# Altium PCB AVALON2_21b.PcbDoc (part 5 of 7)
Units mil, origin at the board's own origin, x right, y up, seen from the top; angles counter-clockwise.
Board outline 5250 x 3000 mil, 4 copper layers (Top Layer, Mid-Layer 1, Mid-Layer 2, Bottom Layer); 460 components, 80 nets, 2011 pads, 1492 vias.
Unrouted connection lines stored in the file: 78.
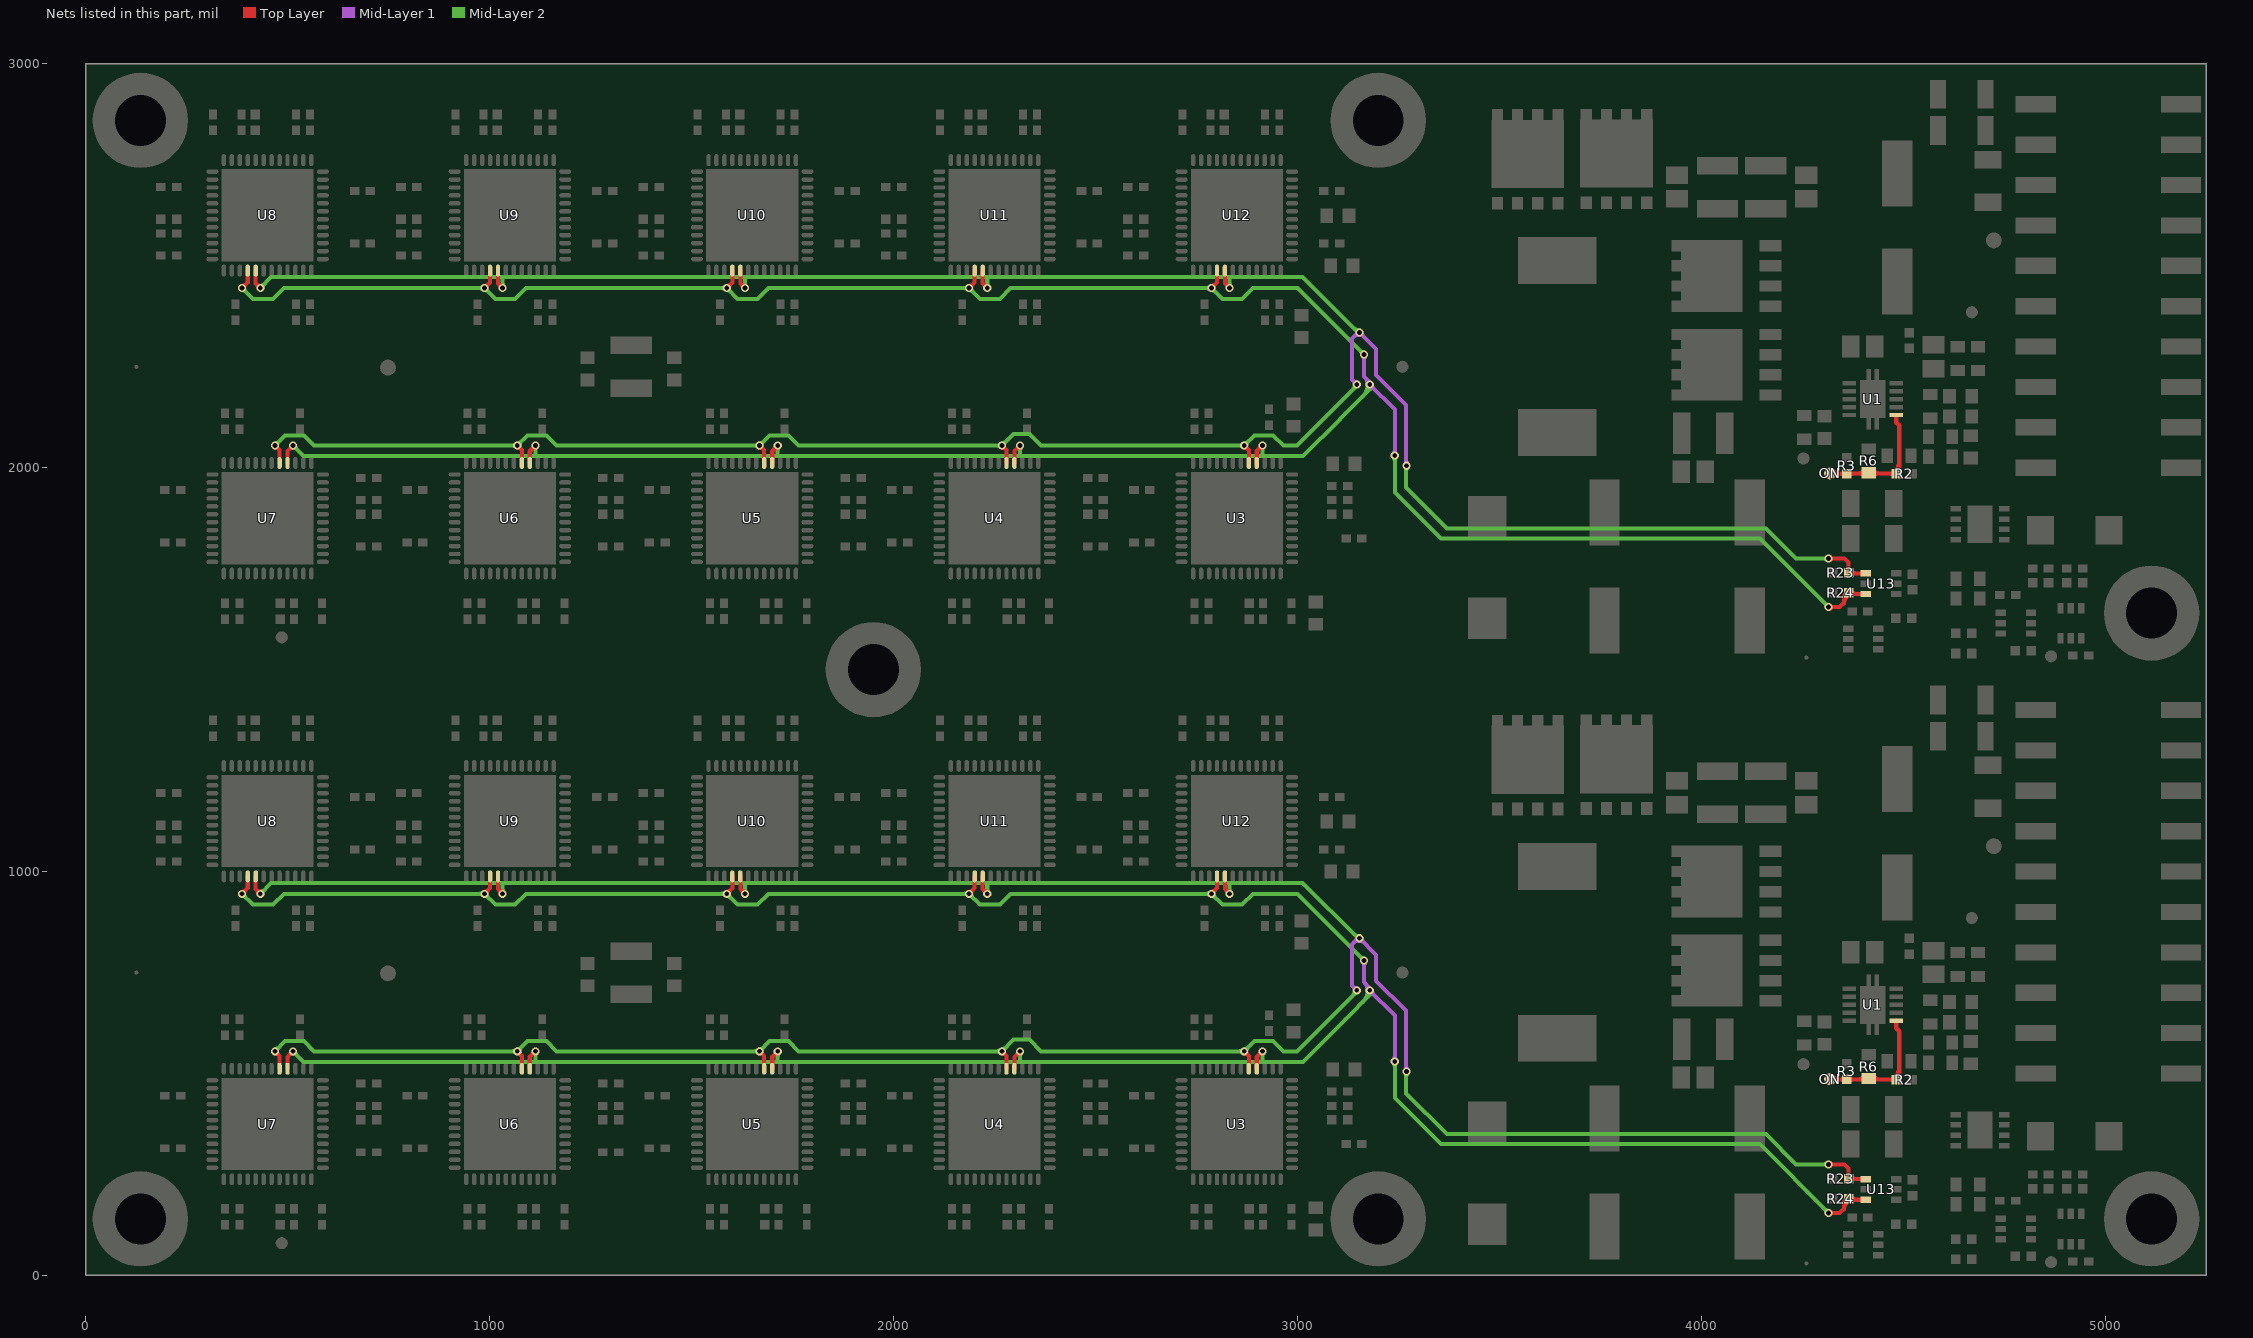
[diagram p7: the nets of this part, all layers, seen from the top]

## Via types
v1: diameter 32, hole 18, Top Layer to Bottom Layer, tented both sides, 846 vias
v2: diameter 20, hole 12, Top Layer to Bottom Layer, tented both sides, 458 vias
v3: diameter 20, hole 12, Top Layer to Bottom Layer, tented bottom, 154 vias
v4: diameter 50, hole 20, Top Layer to Bottom Layer, tented both sides, 16 vias
v5: diameter 23.62, hole 11.81, Top Layer to Bottom Layer, tented bottom, 10 vias
v6: diameter 25.98, hole 12.99, Top Layer to Bottom Layer, tented top, 4 vias
v7: diameter 20, hole 12, Top Layer to Bottom Layer, 4 vias

## Nets (pads, with @x,y where several pads share a name; then routed paths per layer and width w, separated by ;. In a path a pad name is that pad's centre, name@x,y a point inside that pad or via, vN(x,y) a via of type N, cw(c..) or ccw(c..) an arc to the next point about the centre after c; other vN are vias at no path point) (continued)
PWR_ON: ON.1 R2.1 R3.1 R6.2 U1.1 | length 1062.1
  Top Layer w10: ON.1@4319,485.31 R2.1@4490,485.31 ; ON.1@4319,1985.31 R2.1@4490,1985.31 ; ON.1@4326.07,478.93 cw(c4341.49,463.51) 4341.49,485.31 ; ON.1@4326.07,493.07 ccw(c4344.8,511.8) 4344.8,485.31 ; ON.1@4326.07,1978.93 cw(c4341.49,1963.51) 4341.49,1985.31 ; ON.1@4326.07,1993.07 ccw(c4344.8,2011.8) 4344.8,1985.31 ; R3.1@4355.18,480.5 ccw(c4343.56,468.87) 4343.56,485.31 ccw(c4343.56,501.76) R3.1@4355.18,490.13 ; R3.1@4355.18,1980.5 ccw(c4343.56,1968.87) 4343.56,1985.31 ccw(c4343.56,2001.76) R3.1@4355.18,1990.13 ; R3.1@4364.82,480.5 cw(c4376.44,468.87) 4376.44,485.31 cw(c4376.44,501.76) R3.1@4364.82,490.13 ; R3.1@4364.82,1980.5 cw(c4376.44,1968.87) 4376.44,1985.31 cw(c4376.44,2001.76) R3.1@4364.82,1990.13 ; 4384.66,485.31 ccw(c4384.66,513.88) R6.2@4404.86,493.68 ; 4384.66,1985.31 ccw(c4384.66,2013.88) R6.2@4404.86,1993.68 ; 4395.08,485.31 cw(c4395.08,471.49) R6.2@4404.86,481.26 ; 4395.08,1985.31 cw(c4395.08,1971.49) R6.2@4404.86,1981.26 ; R6.2@4425.15,481.26 cw(c4434.92,471.49) 4434.92,485.31 ; R6.2@4425.15,493.68 ccw(c4445.34,513.88) 4445.34,485.31 ; R6.2@4425.15,1981.26 cw(c4434.92,1971.49) 4434.92,1985.31 ; R6.2@4425.15,1993.68 ccw(c4445.34,2013.88) 4445.34,1985.31 ; 4466.11,485.31 cw(c4466.11,467.8) R2.1@4478.5,480.18 ; 4466.11,1985.31 cw(c4466.11,1967.8) R2.1@4478.5,1980.18 ; 4467.63,485.31 ccw(c4467.63,500.68) R2.1@4478.5,489.82 ; 4467.63,1985.31 ccw(c4467.63,2000.68) R2.1@4478.5,1989.82
  Top Layer w11: R2.1@4478.85,489.46 ccw(c4451.94,516.38) 4490,516.38 ; R2.1@4478.85,1989.46 ccw(c4451.94,2016.38) 4490,2016.38 ; U1.1@4483.07,630.63 4483.07,611.93 4490,605 R2.1@4490,485.31 ; U1.1@4483.07,2130.63 4483.07,2111.93 4490,2105 R2.1@4490,1985.31
REPORT_N: R24.1 U3.16 U4.16 U5.16 U6.16 U7.16 U8.16 U9.16 U10.16 U11.16 U12.16 U13.3 | length 17441
  Top Layer w10: v3(386.89,945) 400.79,958.9 U8.16@400.79,988.19 ; v3@386.89,950 ccw(c386.89,962.07) 395.43,953.54 ccw(c403.96,945) v3@391.89,945 ; v3(386.89,2445) 400.79,2458.9 U8.16@400.79,2488.19 ; v3@386.89,2450 ccw(c386.89,2462.07) 395.43,2453.54 ccw(c403.96,2445) v3@391.89,2445 ; U7.16@499.21,511.81 499.21,541.1 v3(513.11,555) ; U7.16@499.21,2011.81 499.21,2041.1 v3(513.11,2055) ; v3@508.11,555 cw(c496.04,555) 504.57,546.46 cw(c513.11,537.93) v3@513.11,550 ; v3@508.11,2055 cw(c496.04,2055) 504.57,2046.46 cw(c513.11,2037.93) v3@513.11,2050 ; v3(986.89,945) 1000.79,958.9 U9.16@1000.79,988.19 ; v3@986.89,950 ccw(c986.89,962.07) 995.43,953.54 ccw(c1003.96,945) v3@991.89,945 ; v3(986.89,2445) 1000.79,2458.9 U9.16@1000.79,2488.19 ; v3@986.89,2450 ccw(c986.89,2462.07) 995.43,2453.54 ccw(c1003.96,2445) v3@991.89,2445 ; v3(1586.89,945) 1600.79,958.9 U10.16@1600.79,988.19 ; v3@1586.89,950 ccw(c1586.89,962.07) 1595.43,953.54 ccw(c1603.96,945) v3@1591.89,945 ; v3(1586.89,2445) 1600.79,2458.9 U10.16@1600.79,2488.19 ; v3@1586.89,2450 ccw(c1586.89,2462.07) 1595.43,2453.54 ccw(c1603.96,2445) v3@1591.89,2445 ; v3(2186.89,945) 2200.79,958.9 U11.16@2200.79,988.19 ; v3@2186.89,950 ccw(c2186.89,962.07) 2195.43,953.54 ccw(c2203.96,945) v3@2191.89,945 ; v3(2186.89,2445) 2200.79,2458.9 U11.16@2200.79,2488.19 ; v3@2186.89,2450 ccw(c2186.89,2462.07) 2195.43,2453.54 ccw(c2203.96,2445) v3@2191.89,2445 ; U4.16@2299.21,511.81 2299.21,541.1 v3(2313.11,555) ; U4.16@2299.21,2011.81 2299.21,2041.1 v3(2313.11,2055) ; v3@2308.11,555 cw(c2296.04,555) 2304.57,546.46 cw(c2313.11,537.93) v3@2313.11,550 ; v3@2308.11,2055 cw(c2296.04,2055) 2304.57,2046.46 cw(c2313.11,2037.93) v3@2313.11,2050 ; v3(2786.89,945) 2800.79,958.9 U12.16@2800.79,988.19 ; v3@2786.89,950 ccw(c2786.89,962.07) 2795.43,953.54 ccw(c2803.96,945) v3@2791.89,945 ; v3(2786.89,2445) 2800.79,2458.9 U12.16@2800.79,2488.19 ; v3@2786.89,2450 ccw(c2786.89,2462.07) 2795.43,2453.54 ccw(c2803.96,2445) v3@2791.89,2445 ; U3.16@2899.21,511.81 2899.21,541.1 v3(2913.11,555) ; U3.16@2899.21,2011.81 2899.21,2041.1 v3(2913.11,2055) ; v3@2908.11,555 cw(c2896.04,555) 2904.57,546.46 cw(c2913.11,537.93) v3@2913.11,550 ; v3@2908.11,2055 cw(c2896.04,2055) 2904.57,2046.46 cw(c2913.11,2037.93) v3@2913.11,2050 ; v3(4315,155) 4342,155 4353,166 4353,178.32 R24.1@4364.68,190 ; v3(4315,1655) 4342,1655 4353,1666 4353,1678.32 R24.1@4364.68,1690 ; v3@4318.54,151.46 cw(c4327.07,142.93) 4327.07,155 cw(c4327.07,167.07) v3@4318.54,158.54 ; v3@4318.54,1651.46 cw(c4327.07,1642.93) 4327.07,1655 cw(c4327.07,1667.07) v3@4318.54,1658.54 ; 4353,163.31 cw(c4374.7,163.31) R24.1@4367.08,183.62 ; 4353,177.74 cw(c4369.28,177.74) R24.1@4363.56,192.99 ; 4353,1663.31 cw(c4374.7,1663.31) R24.1@4367.08,1683.62 ; 4353,1677.74 cw(c4369.28,1677.74) R24.1@4363.56,1692.99 ; R24.1@4367.18,187.5 R24.1@4369.09,189.41 ; R24.1@4367.18,1687.5 R24.1@4369.09,1689.41 ; R24.1@4367.28,187.41 U13.3@4407.6,187.41 ; R24.1@4367.28,1687.41 U13.3@4407.6,1687.41 ; R24.1@4369.5,194.82 ccw(c4387.38,212.7) 4387.38,187.41 ; R24.1@4369.5,1694.82 ccw(c4387.38,1712.7) 4387.38,1687.41
  Top Layer w11: U6.16@1099.21,511.81 1099.21,541.1 v3(1113.11,555) ; U6.16@1099.21,2011.81 1099.21,2041.1 v3(1113.11,2055) ; v3@1108.61,555 cw(c1097.75,555) 1105.43,547.32 cw(c1113.11,539.64) v3@1113.11,550.5 ; v3@1108.61,2055 cw(c1097.75,2055) 1105.43,2047.32 cw(c1113.11,2039.64) v3@1113.11,2050.5 ; U5.16@1699.21,511.81 1699.21,541.1 v3(1713.11,555) ; U5.16@1699.21,2011.81 1699.21,2041.1 v3(1713.11,2055) ; v3@1708.61,555 cw(c1697.75,555) 1705.43,547.32 cw(c1713.11,539.64) v3@1713.11,550.5 ; v3@1708.61,2055 cw(c1697.75,2055) 1705.43,2047.32 cw(c1713.11,2039.64) v3@1713.11,2050.5
  Mid-Layer 1 w10: v2@3161.46,776.46 cw(c3152.93,767.93) 3165,767.93 cw(c3177.07,767.93) v2@3168.54,776.46 ; v2@3161.46,2276.46 cw(c3152.93,2267.93) 3165,2267.93 cw(c3177.07,2267.93) v2@3168.54,2276.46 ; v2(3165,780) 3165,726.18 3179,712.18 v2@3179,708 ; v2(3165,2280) 3165,2226.18 3179,2212.18 v2@3179,2208 ; 3166.09,725.09 cw(c3147,706) v2@3174,706 ; 3166.09,2225.09 cw(c3147,2206) v2@3174,2206 ; v2@3179,701 cw(c3179,688.93) 3187.54,697.46 cw(c3196.07,706) v2@3184,706 ; v2(3179,706) 3241,644 v2(3241,530) ; v2@3179,2201 cw(c3179,2188.93) 3187.54,2197.46 cw(c3196.07,2206) v2@3184,2206 ; v2(3179,2206) 3241,2144 v2(3241,2030) ; v2@3237.46,533.54 ccw(c3228.93,542.07) 3241,542.07 ccw(c3253.07,542.07) v2@3244.54,533.54 ; v2@3237.46,2033.54 ccw(c3228.93,2042.07) 3241,2042.07 ccw(c3253.07,2042.07) v2@3244.54,2033.54
  Mid-Layer 2 w10: v3@386.89,940 cw(c386.89,927.93) 395.43,936.46 cw(c403.96,945) v3@391.89,945 ; v3(386.89,945) 413.89,918 463,918 ; v3@386.89,2440 cw(c386.89,2427.93) 395.43,2436.46 cw(c403.96,2445) v3@391.89,2445 ; v3(386.89,2445) 413.89,2418 463,2418 ; 463.07,918 490.07,945 v3(986.89,945) 1013.89,918 ; 463.07,2418 490.07,2445 v3(986.89,2445) 1013.89,2418 ; v3@513.11,550 cw(c513.11,537.93) 521.65,546.46 cw(c530.18,555) v3@518.11,555 ; v3(513.11,555) 539.11,529 1113.11,529 ; v3@513.11,2050 cw(c513.11,2037.93) 521.65,2046.46 cw(c530.18,2055) v3@518.11,2055 ; v3(513.11,2055) 539.11,2029 1113.11,2029 ; v3@983.35,941.46 ccw(c974.82,932.93) 974.82,945 ccw(c974.82,957.07) v3@983.35,948.54 ; v3@983.35,2441.46 ccw(c974.82,2432.93) 974.82,2445 ccw(c974.82,2457.07) v3@983.35,2448.54 ; v3@986.89,940 cw(c986.89,927.93) 995.43,936.46 cw(c1003.96,945) v3@991.89,945 ; v3@986.89,2440 cw(c986.89,2427.93) 995.43,2436.46 cw(c1003.96,2445) v3@991.89,2445 ; 1014,918 1063.07,918 1090.07,945 v3(1586.89,945) 1613.89,918 1663,918 ; 1014,2418 1063.07,2418 1090.07,2445 v3(1586.89,2445) 1613.89,2418 1663,2418 ; v3@1109.57,551.46 cw(c1101.04,542.93) 1113.11,542.93 cw(c1125.18,542.93) v3@1116.65,551.46 ; v3@1109.57,2051.46 cw(c1101.04,2042.93) 1113.11,2042.93 cw(c1125.18,2042.93) v3@1116.65,2051.46 ; v3(1113.11,555) 1113.11,529 ; v3(1113.11,2055) 1113.11,2029 ; v3@1583.35,941.46 ccw(c1574.82,932.93) 1574.82,945 ccw(c1574.82,957.07) v3@1583.35,948.54 ; v3@1583.35,2441.46 ccw(c1574.82,2432.93) 1574.82,2445 ccw(c1574.82,2457.07) v3@1583.35,2448.54 ; v3@1586.89,940 cw(c1586.89,927.93) 1595.43,936.46 cw(c1603.96,945) v3@1591.89,945 ; v3@1586.89,2440 cw(c1586.89,2427.93) 1595.43,2436.46 cw(c1603.96,2445) v3@1591.89,2445 ; 1663.07,918 1690.07,945 v3(2186.89,945) 2213.89,918 2263,918 ; 1663.07,2418 1690.07,2445 v3(2186.89,2445) 2213.89,2418 2263,2418 ; v3@1709.57,551.46 cw(c1701.04,542.93) 1713.11,542.93 cw(c1725.18,542.93) v3@1716.65,551.46 ; v3@1709.57,2051.46 cw(c1701.04,2042.93) 1713.11,2042.93 cw(c1725.18,2042.93) v3@1716.65,2051.46 ; v3(1713.11,555) 1713.11,529 ; v3(1713.11,2055) 1713.11,2029 ; v3@2183.35,941.46 ccw(c2174.82,932.93) 2174.82,945 ccw(c2174.82,957.07) v3@2183.35,948.54 ; v3@2183.35,2441.46 ccw(c2174.82,2432.93) 2174.82,2445 ccw(c2174.82,2457.07) v3@2183.35,2448.54 ; v3@2186.89,940 cw(c2186.89,927.93) 2195.43,936.46 cw(c2203.96,945) v3@2191.89,945 ; v3@2186.89,2440 cw(c2186.89,2427.93) 2195.43,2436.46 cw(c2203.96,2445) v3@2191.89,2445 ; 2263.07,918 2290.07,945 v3(2786.89,945) 2813.89,918 2863,918 ; 2263.07,2418 2290.07,2445 v3(2786.89,2445) 2813.89,2418 2863,2418 ; v3@2309.57,551.46 cw(c2301.04,542.93) 2313.11,542.93 cw(c2325.18,542.93) v3@2316.65,551.46 ; v3@2309.57,2051.46 cw(c2301.04,2042.93) 2313.11,2042.93 cw(c2325.18,2042.93) v3@2316.65,2051.46 ; v3(2313.11,555) 2313.11,529 ; v3(2313.11,2055) 2313.11,2029 ; v3@2783.35,941.46 ccw(c2774.82,932.93) 2774.82,945 ccw(c2774.82,957.07) v3@2783.35,948.54 ; v3@2783.35,2441.46 ccw(c2774.82,2432.93) 2774.82,2445 ccw(c2774.82,2457.07) v3@2783.35,2448.54 ; v3@2786.89,940 cw(c2786.89,927.93) 2795.43,936.46 cw(c2803.96,945) v3@2791.89,945 ; v3@2786.89,2440 cw(c2786.89,2427.93) 2795.43,2436.46 cw(c2803.96,2445) v3@2791.89,2445 ; 2863.07,918 2890.07,945 3000,945 v2(3165,780) ; 2863.07,2418 2890.07,2445 3000,2445 v2(3165,2280) ; v3@2909.57,551.46 cw(c2901.04,542.93) 2913.11,542.93 cw(c2925.18,542.93) v3@2916.65,551.46 ; v3@2909.57,2051.46 cw(c2901.04,2042.93) 2913.11,2042.93 cw(c2925.18,2042.93) v3@2916.65,2051.46 ; v3(2913.11,555) 2913.11,529 ; v3(2913.11,2055) 2913.11,2029 ; v2@3160,780 ccw(c3147.93,780) 3156.46,788.54 ccw(c3165,797.07) v2@3165,785 ; v2@3160,2280 ccw(c3147.93,2280) 3156.46,2288.54 ccw(c3165,2297.07) v2@3165,2285 ; 3161.98,676.98 ccw(c3132.96,706) v2@3174,706 ; 3161.98,2176.98 ccw(c3132.96,2206) v2@3174,2206 ; v2@3175.48,702.45 cw(c3167.1,694) 3179,694 ; v2@3175.48,2202.45 cw(c3167.1,2194) 3179,2194 ; v2(3179,706) 3179,694 ; v2(3179,2206) 3179,2194 ; 3179.05,694.05 ccw(c3167.1,706) v2@3184,706 ; 3179.05,2194.05 ccw(c3167.1,2206) v2@3184,2206 ; v2@3182.52,702.45 ccw(c3190.9,694) 3179,694 ; v2@3182.52,2202.45 ccw(c3190.9,2194) 3179,2194 ; v2@3237.46,526.46 cw(c3228.93,517.93) 3241,517.93 cw(c3253.07,517.93) v2@3244.54,526.46 ; v2@3237.46,2026.46 cw(c3228.93,2017.93) 3241,2017.93 cw(c3253.07,2017.93) v2@3244.54,2026.46 ; v2(3241,530) 3241,439 3355,325 4145,325 v3(4315,155) ; v2(3241,2030) 3241,1939 3355,1825 4145,1825 v3(4315,1655) ; v3@4310,155 ccw(c4297.93,155) 4306.46,163.54 ccw(c4315,172.07) v3@4315,160 ; v3@4310,1655 ccw(c4297.93,1655) 4306.46,1663.54 ccw(c4315,1672.07) v3@4315,1660 ; 1113.11,529 1713.11,529 ; 1113.11,2029 1713.11,2029 ; 1713.11,529 2313.11,529 ; 1713.11,2029 2313.11,2029 ; 2313.11,529 2913.11,529 ; 2313.11,2029 2913.11,2029 ; 2913.11,529 3014,529 3105,620 3105,620.36 3119.64,635 3120,635 3179,694 ; 2913.11,2029 3014,2029 3105,2120 3105,2120.36 3119.64,2135 3120,2135 3179,2194
REPORT_P: R23.1 U3.17 U4.17 U5.17 U6.17 U7.17 U8.17 U9.17 U10.17 U11.17 U12.17 U13.1 | length 17359.3
  Top Layer w10: U8.17@420.47,988.19 420.47,956.42 v3(431.89,945) ; U8.17@420.47,2488.19 420.47,2456.42 v3(431.89,2445) ; v3@426.89,945 ccw(c414.82,945) 423.35,953.54 ccw(c431.89,962.07) v3@431.89,950 ; v3@426.89,2445 ccw(c414.82,2445) 423.35,2453.54 ccw(c431.89,2462.07) v3@431.89,2450 ; v3@468.11,550 cw(c468.11,537.93) 476.65,546.46 cw(c485.18,555) v3@473.11,555 ; v3(468.11,555) 479.53,543.58 U7.17@479.53,511.81 ; v3@468.11,2050 cw(c468.11,2037.93) 476.65,2046.46 cw(c485.18,2055) v3@473.11,2055 ; v3(468.11,2055) 479.53,2043.58 U7.17@479.53,2011.81 ; U9.17@1020.47,988.19 1020.47,956.42 v3(1031.89,945) ; U9.17@1020.47,2488.19 1020.47,2456.42 v3(1031.89,2445) ; v3@1026.89,945 ccw(c1014.82,945) 1023.35,953.54 ccw(c1031.89,962.07) v3@1031.89,950 ; v3@1026.89,2445 ccw(c1014.82,2445) 1023.35,2453.54 ccw(c1031.89,2462.07) v3@1031.89,2450 ; v3@1068.11,550 cw(c1068.11,537.93) 1076.65,546.46 cw(c1085.18,555) v3@1073.11,555 ; v3(1068.11,555) 1079.53,543.58 U6.17@1079.53,511.81 ; v3@1068.11,2050 cw(c1068.11,2037.93) 1076.65,2046.46 cw(c1085.18,2055) v3@1073.11,2055 ; v3(1068.11,2055) 1079.53,2043.58 U6.17@1079.53,2011.81 ; U10.17@1620.47,988.19 1620.47,956.42 v3(1631.89,945) ; U10.17@1620.47,2488.19 1620.47,2456.42 v3(1631.89,2445) ; v3@1626.89,945 ccw(c1614.82,945) 1623.35,953.54 ccw(c1631.89,962.07) v3@1631.89,950 ; v3@1626.89,2445 ccw(c1614.82,2445) 1623.35,2453.54 ccw(c1631.89,2462.07) v3@1631.89,2450 ; v3@1668.11,550 cw(c1668.11,537.93) 1676.65,546.46 cw(c1685.18,555) v3@1673.11,555 ; v3(1668.11,555) 1679.53,543.58 U5.17@1679.53,511.81 ; v3@1668.11,2050 cw(c1668.11,2037.93) 1676.65,2046.46 cw(c1685.18,2055) v3@1673.11,2055 ; v3(1668.11,2055) 1679.53,2043.58 U5.17@1679.53,2011.81 ; U11.17@2220.47,988.19 2220.47,956.42 v3(2231.89,945) ; U11.17@2220.47,2488.19 2220.47,2456.42 v3(2231.89,2445) ; v3@2226.89,945 ccw(c2214.82,945) 2223.35,953.54 ccw(c2231.89,962.07) v3@2231.89,950 ; v3@2226.89,2445 ccw(c2214.82,2445) 2223.35,2453.54 ccw(c2231.89,2462.07) v3@2231.89,2450 ; v3@2268.11,550 cw(c2268.11,537.93) 2276.65,546.46 cw(c2285.18,555) v3@2273.11,555 ; v3(2268.11,555) 2279.53,543.58 U4.17@2279.53,511.81 ; v3@2268.11,2050 cw(c2268.11,2037.93) 2276.65,2046.46 cw(c2285.18,2055) v3@2273.11,2055 ; v3(2268.11,2055) 2279.53,2043.58 U4.17@2279.53,2011.81 ; U12.17@2820.47,988.19 2820.47,956.42 v3(2831.89,945) ; U12.17@2820.47,2488.19 2820.47,2456.42 v3(2831.89,2445) ; v3@2826.89,945 ccw(c2814.82,945) 2823.35,953.54 ccw(c2831.89,962.07) v3@2831.89,950 ; v3@2826.89,2445 ccw(c2814.82,2445) 2823.35,2453.54 ccw(c2831.89,2462.07) v3@2831.89,2450 ; v3@2868.11,550 cw(c2868.11,537.93) 2876.65,546.46 cw(c2885.18,555) v3@2873.11,555 ; v3(2868.11,555) 2879.53,543.58 U3.17@2879.53,511.81 ; v3@2868.11,2050 cw(c2868.11,2037.93) 2876.65,2046.46 cw(c2885.18,2055) v3@2873.11,2055 ; v3(2868.11,2055) 2879.53,2043.58 U3.17@2879.53,2011.81 ; v3@4318.54,271.46 cw(c4327.07,262.93) 4327.07,275 cw(c4327.07,287.07) v3@4318.54,278.54 ; v3@4318.54,1771.46 cw(c4327.07,1762.93) 4327.07,1775 cw(c4327.07,1787.07) v3@4318.54,1778.54 ; 4325,275 4355,275 4364.68,265.32 R23.1@4364.68,240 ; 4325,1775 4355,1775 4364.68,1765.32 R23.1@4364.68,1740 ; R23.1@4359.87,244.82 ccw(c4348.24,256.44) 4364.68,256.44 ccw(c4381.13,256.44) 4369.5,244.82 ccw(c4384.53,259.85) 4384.53,238.59 ; R23.1@4359.87,1744.82 ccw(c4348.24,1756.44) 4364.68,1756.44 ccw(c4381.13,1756.44) 4369.5,1744.82 ccw(c4384.53,1759.85) 4384.53,1738.59 ; R23.1@4366.09,238.59 U13.1@4407.6,238.59 ; R23.1@4366.09,1738.59 U13.1@4407.6,1738.59 ; R23.1@4369.5,235.18 cw(c4377.73,226.96) 4377.73,238.59 ; R23.1@4369.5,1735.18 cw(c4377.73,1726.96) 4377.73,1738.59
  Mid-Layer 1 w10: 3138.77,823.77 cw(c3153.82,808.72) 3153.82,830 cw(c3153.82,817.93) 3162.35,826.46 cw(c3170.89,835) v2@3158.82,835 ; 3138.77,2323.77 cw(c3153.82,2308.72) 3153.82,2330 cw(c3153.82,2317.93) 3162.35,2326.46 cw(c3170.89,2335) v2@3158.82,2335 ; v2@3142,706 ccw(c3129.93,706) 3138.46,714.54 ccw(c3147,723.07) v2@3147,711 ; v2@3142,2206 ccw(c3129.93,2206) 3138.46,2214.54 ccw(c3147,2223.07) v2@3147,2211 ; v2(3147,706) 3135,718 3135,820 v2@3150,835 ; v2(3147,2206) 3135,2218 3135,2320 v2@3150,2335 ; v2(3153.82,835) 3195,793.82 3195,729.7 3269,655.7 v2@3269,506 ; v2(3153.82,2335) 3195,2293.82 3195,2229.7 3269,2155.7 v2@3269,2006 ; 3269,519.49 ccw(c3284.49,519.49) v2@3273.54,508.54 ; 3269,2019.49 ccw(c3284.49,2019.49) v2@3273.54,2008.54
  Mid-Layer 2 w10: v3(431.89,945) 458.89,972 3013,972 v2@3150,835 ; v3@431.89,950 ccw(c431.89,962.07) 440.43,953.54 ccw(c448.96,945) v3@436.89,945 ; v3(431.89,2445) 458.89,2472 3013,2472 v2@3150,2335 ; v3@431.89,2450 ccw(c431.89,2462.07) 440.43,2453.54 ccw(c448.96,2445) v3@436.89,2445 ; v3(468.11,555) 493.11,580 540,580 565,555 v3(1068.11,555) 1093.11,580 1140,580 1165,555 v3(1668.11,555) 1693.11,580 1740,580 1765,555 v3(2268.11,555) 2296.8,583.69 2336.31,583.69 2365,555 v3(2868.11,555) 2893.11,580 2940,580 2965,555 2999,555 v2@3150,706 ; v3@468.11,560 ccw(c468.11,572.07) 476.65,563.54 ccw(c485.18,555) v3@473.11,555 ; v3(468.11,2055) 493.11,2080 540,2080 565,2055 v3(1068.11,2055) 1093.11,2080 1140,2080 1165,2055 v3(1668.11,2055) 1693.11,2080 1740,2080 1765,2055 v3(2268.11,2055) 2296.8,2083.69 2336.31,2083.69 2365,2055 v3(2868.11,2055) 2893.11,2080 2940,2080 2965,2055 2999,2055 v2@3150,2206 ; v3@468.11,2060 ccw(c468.11,2072.07) 476.65,2063.54 ccw(c485.18,2055) v3@473.11,2055 ; v3@1028.35,948.54 ccw(c1019.82,957.07) 1031.89,957.07 ccw(c1043.96,957.07) v3@1035.43,948.54 ; v3@1028.35,2448.54 ccw(c1019.82,2457.07) 1031.89,2457.07 ccw(c1043.96,2457.07) v3@1035.43,2448.54 ; v3(1031.89,945) 1031.89,971.89 ; v3(1031.89,2445) 1031.89,2471.89 ; v3@1064.57,551.46 ccw(c1056.04,542.93) 1056.04,555 ccw(c1056.04,567.07) v3@1064.57,558.54 ; v3@1064.57,2051.46 ccw(c1056.04,2042.93) 1056.04,2055 ccw(c1056.04,2067.07) v3@1064.57,2058.54 ; v3@1068.11,560 ccw(c1068.11,572.07) 1076.65,563.54 ccw(c1085.18,555) v3@1073.11,555 ; v3@1068.11,2060 ccw(c1068.11,2072.07) 1076.65,2063.54 ccw(c1085.18,2055) v3@1073.11,2055 ; v3@1628.35,948.54 ccw(c1619.82,957.07) 1631.89,957.07 ccw(c1643.96,957.07) v3@1635.43,948.54 ; v3@1628.35,2448.54 ccw(c1619.82,2457.07) 1631.89,2457.07 ccw(c1643.96,2457.07) v3@1635.43,2448.54 ; v3(1631.89,945) 1631.89,971.89 ; v3(1631.89,2445) 1631.89,2471.89 ; v3@1664.57,551.46 ccw(c1656.04,542.93) 1656.04,555 ccw(c1656.04,567.07) v3@1664.57,558.54 ; v3@1664.57,2051.46 ccw(c1656.04,2042.93) 1656.04,2055 ccw(c1656.04,2067.07) v3@1664.57,2058.54 ; v3@1668.11,560 ccw(c1668.11,572.07) 1676.65,563.54 ccw(c1685.18,555) v3@1673.11,555 ; v3@1668.11,2060 ccw(c1668.11,2072.07) 1676.65,2063.54 ccw(c1685.18,2055) v3@1673.11,2055 ; v3@2228.35,948.54 ccw(c2219.82,957.07) 2231.89,957.07 ccw(c2243.96,957.07) v3@2235.43,948.54 ; v3@2228.35,2448.54 ccw(c2219.82,2457.07) 2231.89,2457.07 ccw(c2243.96,2457.07) v3@2235.43,2448.54 ; v3(2231.89,945) 2231.89,971.89 ; v3(2231.89,2445) 2231.89,2471.89 ; v3@2264.57,551.46 ccw(c2256.04,542.93) 2256.04,555 ccw(c2256.04,567.07) v3@2264.57,558.54 ; v3@2264.57,2051.46 ccw(c2256.04,2042.93) 2256.04,2055 ccw(c2256.04,2067.07) v3@2264.57,2058.54 ; v3@2268.11,560 ccw(c2268.11,572.07) 2276.65,563.54 ccw(c2285.18,555) v3@2273.11,555 ; v3@2268.11,2060 ccw(c2268.11,2072.07) 2276.65,2063.54 ccw(c2285.18,2055) v3@2273.11,2055 ; v3@2828.35,948.54 ccw(c2819.82,957.07) 2831.89,957.07 ccw(c2843.96,957.07) v3@2835.43,948.54 ; v3@2828.35,2448.54 ccw(c2819.82,2457.07) 2831.89,2457.07 ccw(c2843.96,2457.07) v3@2835.43,2448.54 ; v3(2831.89,945) 2831.89,971.89 ; v3(2831.89,2445) 2831.89,2471.89 ; v3@2864.57,551.46 ccw(c2856.04,542.93) 2856.04,555 ccw(c2856.04,567.07) v3@2864.57,558.54 ; v3@2864.57,2051.46 ccw(c2856.04,2042.93) 2856.04,2055 ccw(c2856.04,2067.07) v3@2864.57,2058.54 ; v3@2868.11,560 ccw(c2868.11,572.07) 2876.65,563.54 ccw(c2885.18,555) v3@2873.11,555 ; v3@2868.11,2060 ccw(c2868.11,2072.07) 2876.65,2063.54 ccw(c2885.18,2055) v3@2873.11,2055 ; 3136.34,692.34 ccw(c3122.69,706) v2@3142,706 ; 3136.34,2192.34 ccw(c3122.69,2206) v2@3142,2206 ; 3138.77,846.23 ccw(c3153.82,861.28) v2@3153.82,840 ; 3138.77,2346.23 ccw(c3153.82,2361.28) v2@3153.82,2340 ; 3269,490.51 cw(c3284.49,490.51) v2@3273.54,501.46 ; v2@3269,505 3269,451 3370,350 4160,350 4235,275 v3(4315,275) ; 3269,1990.51 cw(c3284.49,1990.51) v2@3273.54,2001.46 ; v2@3269,2005 3269,1951 3370,1850 4160,1850 4235,1775 v3(4315,1775) ; v3@4311.46,271.46 ccw(c4302.93,262.93) 4302.93,275 ccw(c4302.93,287.07) v3@4311.46,278.54 ; v3@4311.46,1771.46 ccw(c4302.93,1762.93) 4302.93,1775 ccw(c4302.93,1787.07) v3@4311.46,1778.54
  other v2: 3270,505 3270,2005